# KiCad board Fraiseiver2panel.kicad_pcb
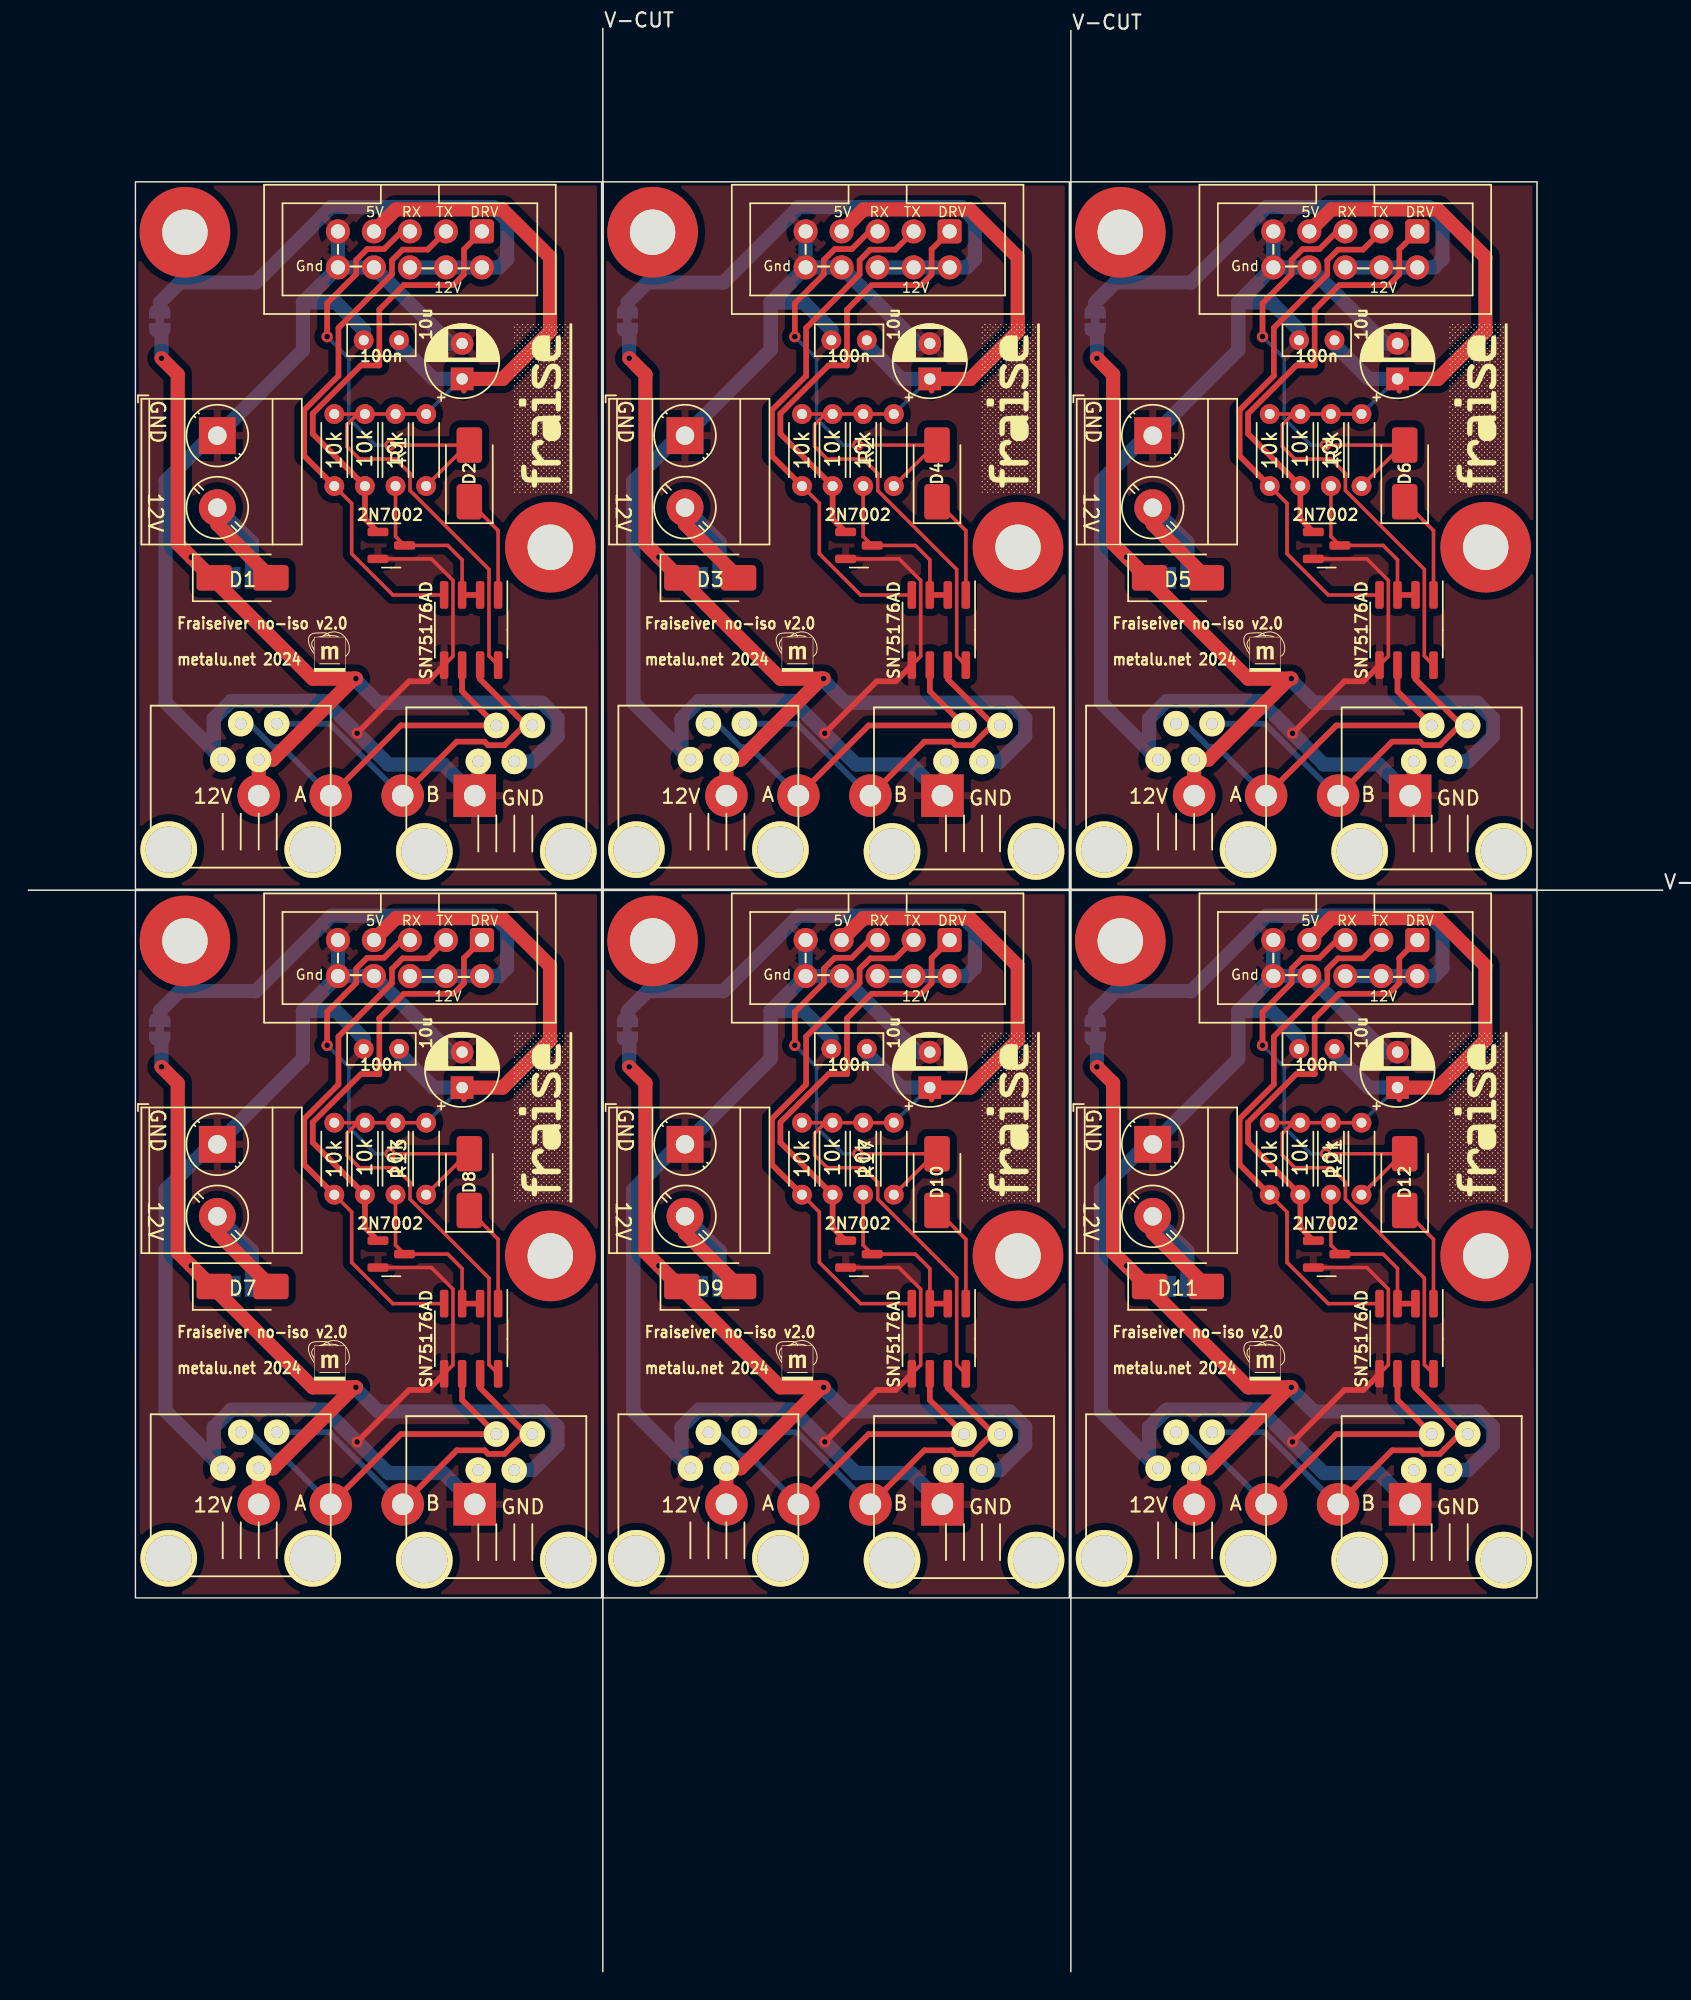
[diagram p0: board, top side]
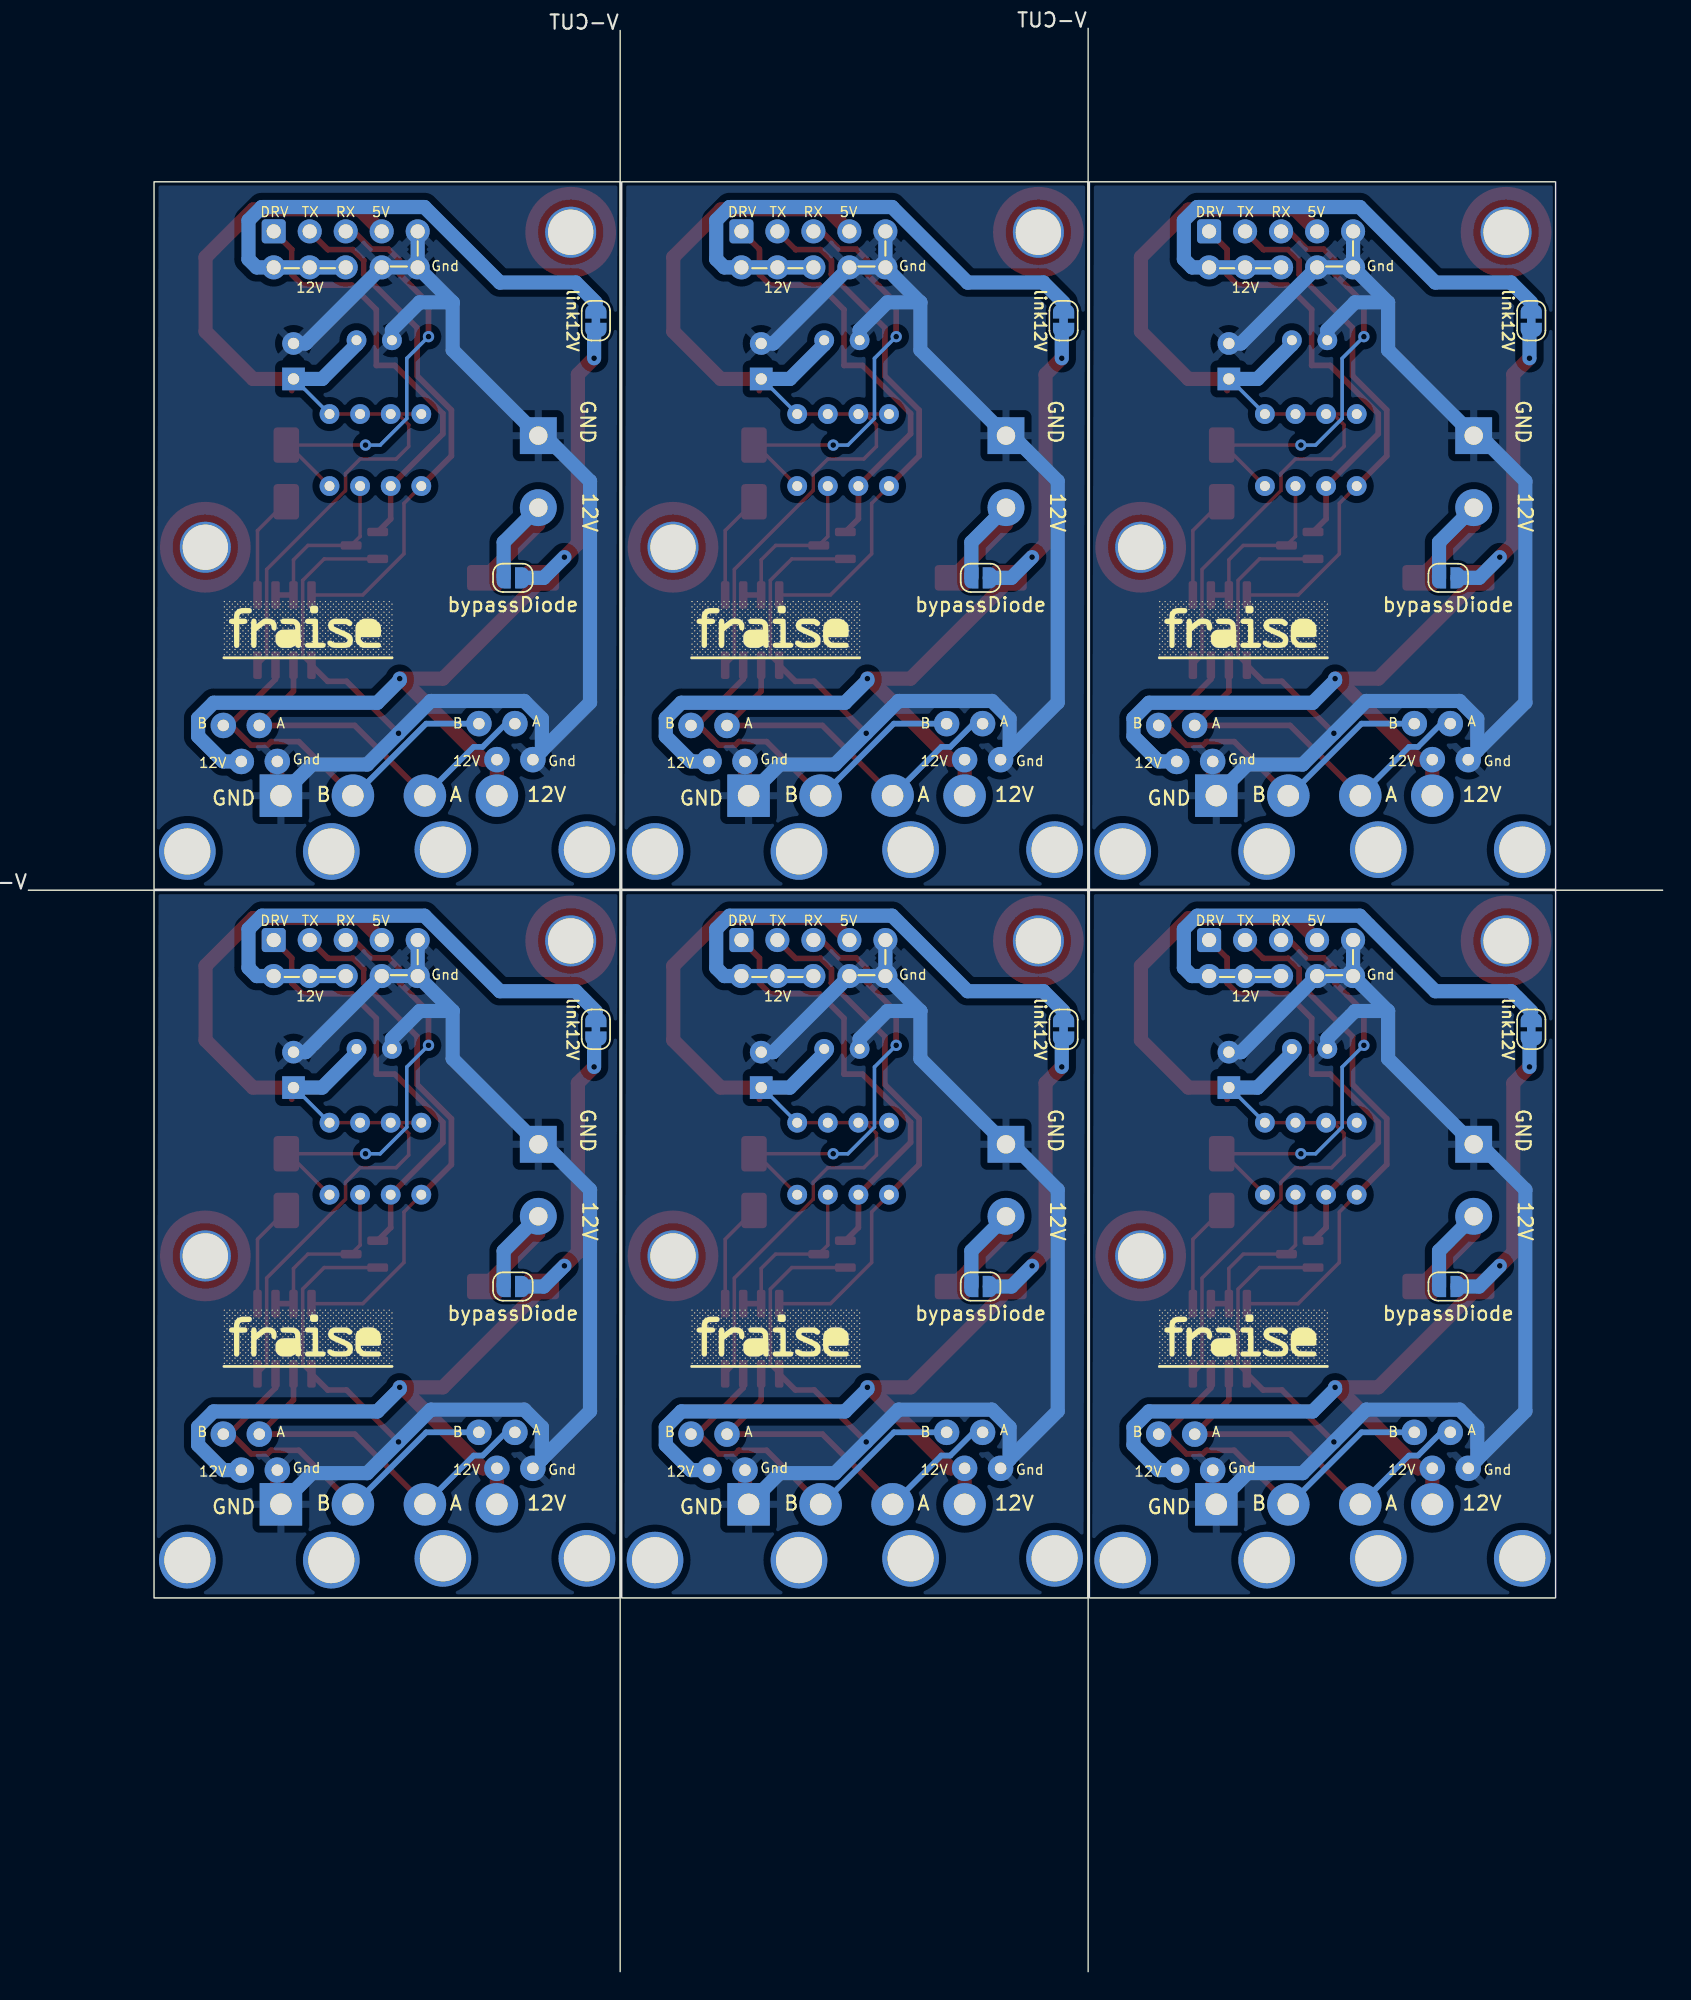
[diagram p1: board, bottom side, seen from below]

Outline 115.32 x 137.11 mm; copper layers: Top, Bottom. Coordinates in mm from the lower left corner of the outline.
Outline path: rectangle 7.56,126.28 40.45,76.37 ; rectangle 7.56,76.28 40.45,26.37 ; rectangle 40.56,126.28 73.45,76.37 ; rectangle 40.56,76.28 73.45,26.37 ; rectangle 73.56,126.28 106.45,76.37 ; rectangle 73.56,76.28 106.45,26.37 ; 0,76.3 115.32,76.3 ; 40.54,137.11 40.54,0 ; 73.56,136.96 73.56,0

## Placement (name value [footprint] x y rotation side)
C2  100n  [C_Rect_L4.6mm_W2.0mm_P2.50mm_MKS02_FKP02]  26.16 115.1 180 top
C3  10u  [CP_Radial_D5.0mm_P2.50mm]  30.61 112.37 90 top
C4  100n  [C_Rect_L4.6mm_W2.0mm_P2.50mm_MKS02_FKP02]  59.16 115.1 180 top
C5  10u  [CP_Radial_D5.0mm_P2.50mm]  63.61 112.37 90 top
C6  100n  [C_Rect_L4.6mm_W2.0mm_P2.50mm_MKS02_FKP02]  92.16 115.1 180 top
C7  10u  [CP_Radial_D5.0mm_P2.50mm]  96.61 112.37 90 top
C8  100n  [C_Rect_L4.6mm_W2.0mm_P2.50mm_MKS02_FKP02]  26.16 65.1 180 top
C9  10u  [CP_Radial_D5.0mm_P2.50mm]  30.61 62.37 90 top
C10  100n  [C_Rect_L4.6mm_W2.0mm_P2.50mm_MKS02_FKP02]  59.16 65.1 180 top
C11  10u  [CP_Radial_D5.0mm_P2.50mm]  63.61 62.37 90 top
C12  100n  [C_Rect_L4.6mm_W2.0mm_P2.50mm_MKS02_FKP02]  92.16 65.1 180 top
C13  10u  [CP_Radial_D5.0mm_P2.50mm]  96.61 62.37 90 top
D1  D_Schottky  [D_SMA]  15.11 98.34 0 top
D2  D_Schottky  [D_SMA]  31.11 105.71 90 top
D3  D_Schottky  [D_SMA]  48.11 98.34 0 top
D4  D_Schottky  [D_SMA]  64.11 105.71 90 top
D5  D_Schottky  [D_SMA]  81.11 98.34 0 top
D6  D_Schottky  [D_SMA]  97.11 105.71 90 top
D7  D_Schottky  [D_SMA]  15.11 48.34 0 top
D8  D_Schottky  [D_SMA]  31.11 55.71 90 top
D9  D_Schottky  [D_SMA]  48.11 48.34 0 top
D10  D_Schottky  [D_SMA]  64.11 55.71 90 top
D11  D_Schottky  [D_SMA]  81.11 48.34 0 top
D12  D_Schottky  [D_SMA]  97.11 55.71 90 top
G***  LOGO  [metalunet-mini]  21.21 93.13 0 top
G***1  LOGO  [metalunet-mini]  54.21 93.13 0 top
G***2  LOGO  [FraiseLogo]  62.59 94.66 180 bottom
G***3  LOGO  [FraiseLogo]  69.32 110.28 90 top
G***4  LOGO  [metalunet-mini]  87.21 93.13 0 top
G***5  LOGO  [FraiseLogo]  95.59 94.66 180 bottom
G***6  LOGO  [FraiseLogo]  102.32 110.28 90 top
G***7  LOGO  [metalunet-mini]  21.21 43.13 0 top
G***8  LOGO  [FraiseLogo]  29.59 44.66 180 bottom
G***9  LOGO  [FraiseLogo]  36.32 60.28 90 top
G***10  LOGO  [metalunet-mini]  54.21 43.13 0 top
G***11  LOGO  [FraiseLogo]  62.59 44.66 180 bottom
G***12  LOGO  [FraiseLogo]  69.32 60.28 90 top
G***13  LOGO  [metalunet-mini]  87.21 43.13 0 top
G***14  LOGO  [FraiseLogo]  95.59 44.66 180 bottom
G***15  LOGO  [FraiseLogo]  102.32 60.28 90 top
G***#2  LOGO  [FraiseLogo]  36.32 110.28 90 top
G***#3  LOGO  [FraiseLogo]  29.59 94.66 180 bottom
H1  MountingHole  [MountingHole_3.2mm_M3_Pad_TopOnly]  11.05 122.72 0 top
H2  MountingHole  [MountingHole_3.2mm_M3_Pad_TopOnly]  36.83 100.5 0 top
H3  MountingHole  [MountingHole_3.2mm_M3_Pad_TopOnly]  44.05 122.72 0 top
H4  MountingHole  [MountingHole_3.2mm_M3_Pad_TopOnly]  69.83 100.5 0 top
H5  MountingHole  [MountingHole_3.2mm_M3_Pad_TopOnly]  77.05 122.72 0 top
H6  MountingHole  [MountingHole_3.2mm_M3_Pad_TopOnly]  102.83 100.5 0 top
H7  MountingHole  [MountingHole_3.2mm_M3_Pad_TopOnly]  11.05 72.72 0 top
H8  MountingHole  [MountingHole_3.2mm_M3_Pad_TopOnly]  36.83 50.5 0 top
H9  MountingHole  [MountingHole_3.2mm_M3_Pad_TopOnly]  44.05 72.72 0 top
H10  MountingHole  [MountingHole_3.2mm_M3_Pad_TopOnly]  69.83 50.5 0 top
H11  MountingHole  [MountingHole_3.2mm_M3_Pad_TopOnly]  77.05 72.72 0 top
H12  MountingHole  [MountingHole_3.2mm_M3_Pad_TopOnly]  102.83 50.5 0 top
J1  RJ14  [RJ11]  14.99 85.51 180 top
J2  Bornier2  [TerminalBlock_Phoenix_MKDS-3-2-5.08_1x02_P5.08mm_Horizontal]  13.33 108.37 270 top
J3  Fraise_5x2  [IDC-Header_2x05_P2.54mm_Vertical]  32 122.78 270 top
J4  RJ14  [RJ11]  33.02 85.39 180 top
J5  Conn_01x04_Socket  [TerminalBlock_bornier-4_P5.08mm]  31.5 82.97 180 top
J6  RJ14  [RJ11]  47.99 85.51 180 top
J7  Bornier2  [TerminalBlock_Phoenix_MKDS-3-2-5.08_1x02_P5.08mm_Horizontal]  46.33 108.37 270 top
J8  Fraise_5x2  [IDC-Header_2x05_P2.54mm_Vertical]  65 122.78 270 top
J9  RJ14  [RJ11]  66.02 85.39 180 top
J10  Conn_01x04_Socket  [TerminalBlock_bornier-4_P5.08mm]  64.5 82.97 180 top
J11  RJ14  [RJ11]  80.99 85.51 180 top
J12  Bornier2  [TerminalBlock_Phoenix_MKDS-3-2-5.08_1x02_P5.08mm_Horizontal]  79.33 108.37 270 top
J13  Fraise_5x2  [IDC-Header_2x05_P2.54mm_Vertical]  98 122.78 270 top
J14  RJ14  [RJ11]  99.02 85.39 180 top
J15  Conn_01x04_Socket  [TerminalBlock_bornier-4_P5.08mm]  97.5 82.97 180 top
J16  RJ14  [RJ11]  14.99 35.51 180 top
J17  Bornier2  [TerminalBlock_Phoenix_MKDS-3-2-5.08_1x02_P5.08mm_Horizontal]  13.33 58.37 270 top
J18  Fraise_5x2  [IDC-Header_2x05_P2.54mm_Vertical]  32 72.78 270 top
J19  RJ14  [RJ11]  33.02 35.39 180 top
J20  Conn_01x04_Socket  [TerminalBlock_bornier-4_P5.08mm]  31.5 32.97 180 top
J21  RJ14  [RJ11]  47.99 35.51 180 top
J22  Bornier2  [TerminalBlock_Phoenix_MKDS-3-2-5.08_1x02_P5.08mm_Horizontal]  46.33 58.37 270 top
J23  Fraise_5x2  [IDC-Header_2x05_P2.54mm_Vertical]  65 72.78 270 top
J24  RJ14  [RJ11]  66.02 35.39 180 top
J25  Conn_01x04_Socket  [TerminalBlock_bornier-4_P5.08mm]  64.5 32.97 180 top
J26  RJ14  [RJ11]  80.99 35.51 180 top
J27  Bornier2  [TerminalBlock_Phoenix_MKDS-3-2-5.08_1x02_P5.08mm_Horizontal]  79.33 58.37 270 top
J28  Fraise_5x2  [IDC-Header_2x05_P2.54mm_Vertical]  98 72.78 270 top
J29  RJ14  [RJ11]  99.02 35.39 180 top
J30  Conn_01x04_Socket  [TerminalBlock_bornier-4_P5.08mm]  97.5 32.97 180 top
JP1  bypassDiode  [SolderJumper-2_P1.3mm_Open_RoundedPad1.0x1.5mm]  15.13 98.34 180 bottom
JP2  link12V  [SolderJumper-2_P1.3mm_Bridged_RoundedPad1.0x1.5mm]  9.27 116.49 90 bottom
JP3  bypassDiode  [SolderJumper-2_P1.3mm_Open_RoundedPad1.0x1.5mm]  48.13 98.34 180 bottom
JP4  link12V  [SolderJumper-2_P1.3mm_Bridged_RoundedPad1.0x1.5mm]  42.27 116.49 90 bottom
JP5  bypassDiode  [SolderJumper-2_P1.3mm_Open_RoundedPad1.0x1.5mm]  81.13 98.34 180 bottom
JP6  link12V  [SolderJumper-2_P1.3mm_Bridged_RoundedPad1.0x1.5mm]  75.27 116.49 90 bottom
JP7  bypassDiode  [SolderJumper-2_P1.3mm_Open_RoundedPad1.0x1.5mm]  15.13 48.34 180 bottom
JP8  link12V  [SolderJumper-2_P1.3mm_Bridged_RoundedPad1.0x1.5mm]  9.27 66.49 90 bottom
JP9  bypassDiode  [SolderJumper-2_P1.3mm_Open_RoundedPad1.0x1.5mm]  48.13 48.34 180 bottom
JP10  link12V  [SolderJumper-2_P1.3mm_Bridged_RoundedPad1.0x1.5mm]  42.27 66.49 90 bottom
JP11  bypassDiode  [SolderJumper-2_P1.3mm_Open_RoundedPad1.0x1.5mm]  81.13 48.34 180 bottom
JP12  link12V  [SolderJumper-2_P1.3mm_Bridged_RoundedPad1.0x1.5mm]  75.27 66.49 90 bottom
Q1  2N7002  [SOT-23]  25.6 100.63 0 top
Q2  2N7002  [SOT-23]  58.6 100.63 0 top
Q3  2N7002  [SOT-23]  91.6 100.63 0 top
Q4  2N7002  [SOT-23]  25.6 50.63 0 top
Q5  2N7002  [SOT-23]  58.6 50.63 0 top
Q6  2N7002  [SOT-23]  91.6 50.63 0 top
R1  10k  [R_Axial_DIN0204_L3.6mm_D1.6mm_P5.08mm_Horizontal]  28.07 104.82 90 top
R2  10k  [R_Axial_DIN0204_L3.6mm_D1.6mm_P5.08mm_Horizontal]  61.07 104.82 90 top
R3  10k  [R_Axial_DIN0204_L3.6mm_D1.6mm_P5.08mm_Horizontal]  94.07 104.82 90 top
R4  10k  [R_Axial_DIN0204_L3.6mm_D1.6mm_P5.08mm_Horizontal]  25.91 104.82 90 top
R5  10k  [R_Axial_DIN0204_L3.6mm_D1.6mm_P5.08mm_Horizontal]  23.75 104.82 90 top
R6  10k  [R_Axial_DIN0204_L3.6mm_D1.6mm_P5.08mm_Horizontal]  21.59 104.82 90 top
R7  10k  [R_Axial_DIN0204_L3.6mm_D1.6mm_P5.08mm_Horizontal]  58.91 104.82 90 top
R8  10k  [R_Axial_DIN0204_L3.6mm_D1.6mm_P5.08mm_Horizontal]  56.75 104.82 90 top
R9  10k  [R_Axial_DIN0204_L3.6mm_D1.6mm_P5.08mm_Horizontal]  54.59 104.82 90 top
R10  10k  [R_Axial_DIN0204_L3.6mm_D1.6mm_P5.08mm_Horizontal]  91.91 104.82 90 top
R11  10k  [R_Axial_DIN0204_L3.6mm_D1.6mm_P5.08mm_Horizontal]  89.75 104.82 90 top
R12  10k  [R_Axial_DIN0204_L3.6mm_D1.6mm_P5.08mm_Horizontal]  87.59 104.82 90 top
R13  10k  [R_Axial_DIN0204_L3.6mm_D1.6mm_P5.08mm_Horizontal]  28.07 54.82 90 top
R14  10k  [R_Axial_DIN0204_L3.6mm_D1.6mm_P5.08mm_Horizontal]  25.91 54.82 90 top
R15  10k  [R_Axial_DIN0204_L3.6mm_D1.6mm_P5.08mm_Horizontal]  23.75 54.82 90 top
R16  10k  [R_Axial_DIN0204_L3.6mm_D1.6mm_P5.08mm_Horizontal]  21.59 54.82 90 top
R17  10k  [R_Axial_DIN0204_L3.6mm_D1.6mm_P5.08mm_Horizontal]  61.07 54.82 90 top
R18  10k  [R_Axial_DIN0204_L3.6mm_D1.6mm_P5.08mm_Horizontal]  58.91 54.82 90 top
R19  10k  [R_Axial_DIN0204_L3.6mm_D1.6mm_P5.08mm_Horizontal]  56.75 54.82 90 top
R20  10k  [R_Axial_DIN0204_L3.6mm_D1.6mm_P5.08mm_Horizontal]  54.59 54.82 90 top
R21  10k  [R_Axial_DIN0204_L3.6mm_D1.6mm_P5.08mm_Horizontal]  94.07 54.82 90 top
R22  10k  [R_Axial_DIN0204_L3.6mm_D1.6mm_P5.08mm_Horizontal]  91.91 54.82 90 top
R23  10k  [R_Axial_DIN0204_L3.6mm_D1.6mm_P5.08mm_Horizontal]  89.75 54.82 90 top
R24  10k  [R_Axial_DIN0204_L3.6mm_D1.6mm_P5.08mm_Horizontal]  87.59 54.82 90 top
U1  SN75176AD  [SOIC-8_3.9x4.9mm_P1.27mm]  31.24 94.66 270 top
U2  SN75176AD  [SOIC-8_3.9x4.9mm_P1.27mm]  64.24 94.66 270 top
U3  SN75176AD  [SOIC-8_3.9x4.9mm_P1.27mm]  97.24 94.66 270 top
U4  SN75176AD  [SOIC-8_3.9x4.9mm_P1.27mm]  31.24 44.66 270 top
U5  SN75176AD  [SOIC-8_3.9x4.9mm_P1.27mm]  64.24 44.66 270 top
U6  SN75176AD  [SOIC-8_3.9x4.9mm_P1.27mm]  97.24 44.66 270 top

## Library data of the parts
C2 C4 C6 C8 C10 C12 = -: Description: Unpolarized capacitor
C3 C5 C7 C9 C11 C13 = -: Description: Polarized capacitor
D1-D12 = -: Description: Schottky diode
H1-H12 = -: Description: Mounting Hole without connection
J1 J4 J6 J9 J11 J14 J16 J19 J21 J24 J26 J29 = -: Description: RJ connector, 6P4C (6 positions 4 connected)
J2 J7 J12 J17 J22 J27 = -: Description: Generic connector, single row, 01x02, script generated
J3 J8 J13 J18 J23 J28 = -: Description: Generic connector, double row, 02x05, odd/even pin numbering scheme (row 1 odd numbers, row 2 even numbers), script generated (kicad-library-utils/schlib/autogen/connector/)
J5 J10 J15 J20 J25 J30 = -: Description: Generic connector, single row, 01x04, script generated
JP1 JP3 JP5 JP7 JP9 JP11 = -: Description: Solder Jumper, 2-pole, open
JP2 JP4 JP6 JP8 JP10 JP12 = -: Description: Solder Jumper, 2-pole, closed/bridged
Q1-Q6 = -: Description: 0.115A Id, 60V Vds, N-Channel MOSFET, SOT-23
R1-R24 = -: Description: Resistor
U1-U6 = -: Description: Differential RS-422/RS-485 bus transceiver, SOIC-8

## Footprints (pads in the part's own frame, mm; a bottom-side part is the same pattern mirrored in y, then rotated)
C_Rect_L4.6mm_W2.0mm_P2.50mm_MKS02_FKP02
  round 1.4 hole 0.7: 1(0,0) 2(2.5,0)
CP_Radial_D5.0mm_P2.50mm
  rect 1.6x1.6 hole 0.8: 1(0,0)
  round 1.6 hole 0.8: 2(2.5,0)
D_SMA
  rrect 2.5x1.8 smd: 1(-2,0) 2(2,0)
IDC-Header_2x05_P2.54mm_Vertical
  rrect 1.7x1.7 hole 1: 1(0,0)
  round 1.7 hole 1: 2(2.54,0) 3(0,-2.54) 4(2.54,-2.54) 5(0,-5.08) 6(2.54,-5.08) 7(0,-7.62) 8(2.54,-7.62) 9(0,-10.16) 10(2.54,-10.16)
MountingHole_3.2mm_M3_Pad_TopOnly
  round 3.6 hole 3.2: 1(0,0)
  round 6.4 smd: 1(0,0)
R_Axial_DIN0204_L3.6mm_D1.6mm_P5.08mm_Horizontal
  round 1.4 hole 0.7: 1(0,0)
  oval 1.4x1.4 hole 0.7: 2(5.08,0)
RJ11
  round 4 hole 3.251: (-5.08,6.35) (5.08,6.35)
  round 1.801 hole 0.813: 1(1.27,0) 2(0,-2.54) 3(-1.27,0) 4(-2.54,-2.54)
SOIC-8_3.9x4.9mm_P1.27mm
  rrect 1.95x0.6 smd: 1(-2.475,1.905) 2(-2.475,0.635) 3(-2.475,-0.635) 4(-2.475,-1.905) 5(2.475,-1.905) 6(2.475,-0.635) 7(2.475,0.635) 8(2.475,1.905)
SolderJumper-2_P1.3mm_Bridged_RoundedPad1.0x1.5mm
  custom 1x1.5 smd: 1(-0.65,0) 2(0.65,0)
SolderJumper-2_P1.3mm_Open_RoundedPad1.0x1.5mm
  custom 1x1.5 smd: 1(-0.65,0) 2(0.65,0)
SOT-23
  rrect 1.475x0.6 smd: 1(-0.938,0.95) 2(-0.938,-0.95) 3(0.938,0)
TerminalBlock_bornier-4_P5.08mm
  rect 3x3 hole 1.52: 1(0,0)
  round 3 hole 1.52: 2(5.08,0) 3(10.16,0) 4(15.24,0)
TerminalBlock_Phoenix_MKDS-3-2-5.08_1x02_P5.08mm_Horizontal
  rect 2.6x2.6 hole 1.3: 1(0,0)
  round 2.6 hole 1.3: 2(5.08,0)

## Nets
+5V: C2.1 C3.1 C4.1 C5.1 C6.1 C7.1 C8.1 C9.1 C10.1 C11.1 C12.1 C13.1 J3.7 J8.7 J13.7 J18.7 J23.7 J28.7 R1.2 R2.2 R3.2 R4.2 R5.2 R6.2 R7.2 R8.2 R9.2 R10.2 R11.2 R12.2 R13.2 R14.2 R15.2 R16.2 R17.2 R18.2 R19.2 R20.2 R21.2 R22.2 R23.2 R24.2 U1.8 U2.8 U3.8 U4.8 U5.8 U6.8
+12V: J3.2 J3.4 J3.6 J8.2 J8.4 J8.6 J13.2 J13.4 J13.6 J18.2 J18.4 J18.6 J23.2 J23.4 J23.6 J28.2 J28.4 J28.6 JP2.2 JP4.2 JP6.2 JP8.2 JP10.2 JP12.2
GND: C2.2 C3.2 C4.2 C5.2 C6.2 C7.2 C8.2 C9.2 C10.2 C11.2 C12.2 C13.2 J1.1 J2.1 J3.8 J3.9 J3.10 J4.1 J5.1 J6.1 J7.1 J8.8 J8.9 J8.10 J9.1 J10.1 J11.1 J12.1 J13.8 J13.9 J13.10 J14.1 J15.1 J16.1 J17.1 J18.8 J18.9 J18.10 J19.1 J20.1 J21.1 J22.1 J23.8 J23.9 J23.10 J24.1 J25.1 J26.1 J27.1 J28.8 J28.9 J28.10 J29.1 J30.1 Q1.2 Q2.2 Q3.2 Q4.2 Q5.2 Q6.2 U1.5 U2.5 U3.5 U4.5 U5.5 U6.5
+12P: D1.1 D3.1 D5.1 D7.1 D9.1 D11.1 J1.3 J4.3 J5.4 J6.3 J9.3 J10.4 J11.3 J14.3 J15.4 J16.3 J19.3 J20.4 J21.3 J24.3 J25.4 J26.3 J29.3 J30.4 JP1.2 JP2.1 JP3.2 JP4.1 JP5.2 JP6.1 JP7.2 JP8.1 JP9.2 JP10.1 JP11.2 JP12.1
/A: J1.2 J4.2 J5.3 J6.2 J9.2 J10.3 J11.2 J14.2 J15.3 J16.2 J19.2 J20.3 J21.2 J24.2 J25.3 J26.2 J29.2 J30.3 U1.6 U2.6 U3.6 U4.6 U5.6 U6.6
/B: J1.4 J4.4 J5.2 J6.4 J9.4 J10.2 J11.4 J14.4 J15.2 J16.4 J19.4 J20.2 J21.4 J24.4 J25.2 J26.4 J29.4 J30.2 U1.7 U2.7 U3.7 U4.7 U5.7 U6.7
/DRV: J3.1 J8.1 J13.1 J18.1 J23.1 J28.1 Q1.1 Q2.1 Q3.1 Q4.1 Q5.1 Q6.1 R5.1 R8.1 R11.1 R15.1 R19.1 R23.1
/RX: D2.2 D4.2 D6.2 D8.2 D10.2 D12.2 J3.5 J8.5 J13.5 J18.5 J23.5 J28.5 R1.1 R2.1 R3.1 R13.1 R17.1 R21.1
/TX: J3.3 J8.3 J13.3 J18.3 J23.3 J28.3 R6.1 R9.1 R12.1 R16.1 R20.1 R24.1 U1.4 U2.4 U3.4 U4.4 U5.4 U6.4
Net-(D1-A): D1.2 D3.2 D5.2 D7.2 D9.2 D11.2 J2.2 J7.2 J12.2 J17.2 J22.2 J27.2 JP1.1 JP3.1 JP5.1 JP7.1 JP9.1 JP11.1
Net-(Q1-D): Q1.3 Q2.3 Q3.3 Q4.3 Q5.3 Q6.3 R4.1 R7.1 R10.1 R14.1 R18.1 R22.1 U1.2 U1.3 U2.2 U2.3 U3.2 U3.3 U4.2 U4.3 U5.2 U5.3 U6.2 U6.3

Pads without a net: D2 1; D4 1; D6 1; D8 1; D10 1; D12 1; H1 1; H2 1; H3 1; H4 1; H5 1; H6 1; H7 1; H8 1; H9 1; H10 1; H11 1; H12 1; U1 1; U2 1; U3 1; U4 1; U5 1; U6 1

## Via types
v1: diameter 0.8, hole 0.4, Top to Bottom, 36 vias

## Routing (per net, layer and track width the routed paths; a pad name or vN(x,y) marks a point on that pad's centre or on a via; arc(x,y) is an arc through that point)
+5V: length 411
  Top w0.25: R16.2 R14.2 R13.2 ; R2.2 R7.2 R9.2 ; R6.2 R4.2 R1.2 ; R8.2 56.23,109.9 55.48,109.14 55.48,107.61 56.37,106.72 58.91,106.72 59.93,105.7 59.93,104.5 65.5,98.93 65.5,92.83 66.15,92.18 ; R15.2 23.23,59.9 22.48,59.14 22.48,57.61 23.37,56.72 25.91,56.72 26.93,55.7 26.93,54.5 32.5,48.93 32.5,42.83 U4.8 ; R5.2 23.23,109.9 22.48,109.14 22.48,107.61 23.37,106.72 25.91,106.72 26.93,105.7 26.93,104.5 32.5,98.93 32.5,92.83 33.15,92.18 ; R24.2 R22.2 R21.2 ; R20.2 R18.2 R17.2 ; U6.8 98.5,42.83 98.5,48.93 92.93,54.5 92.93,55.7 91.91,56.72 89.37,56.72 88.48,57.61 88.48,59.14 89.23,59.9 R23.2 ; R11.2 89.23,109.9 88.48,109.14 88.48,107.61 89.37,106.72 91.91,106.72 92.93,105.7 92.93,104.5 98.5,98.93 98.5,92.83 99.15,92.18 ; R3.2 R10.2 R12.2 ; R19.2 56.23,59.9 55.48,59.14 55.48,57.61 56.37,56.72 58.91,56.72 59.93,55.7 59.93,54.5 65.5,48.93 65.5,42.83 U5.8
  Top w0.4: 30.73,61.55 30.73,62.37 ; 63.73,61.55 63.73,62.37 ; 96.73,111.55 96.73,112.37 ; 96.73,61.55 96.73,62.37 ; 30.73,111.55 30.73,112.37 ; 63.73,111.55 63.73,112.37
  Top w1: J8.7 58.93,124.33 66.44,124.33 69.81,120.96 69.81,115.72 66.47,112.37 C5.1 ; J3.7 25.93,124.33 33.44,124.33 36.81,120.96 36.81,115.72 33.47,112.37 C3.1 ; C13.1 99.47,62.37 102.81,65.72 102.81,70.96 99.44,74.33 91.93,74.33 J28.7 ; J18.7 25.93,74.33 33.44,74.33 36.81,70.96 36.81,65.72 33.47,62.37 C9.1 ; J23.7 58.93,74.33 66.44,74.33 69.81,70.96 69.81,65.72 66.47,62.37 C11.1 ; C7.1 99.47,112.37 102.81,115.72 102.81,120.96 99.44,124.33 91.93,124.33 J13.7
  Bottom w0.25: C3.1 30.54,112.37 R1.2 ; C9.1 30.54,62.37 R13.2 ; R21.2 96.54,62.37 C13.1 ; R2.2 63.54,112.37 C5.1 ; C7.1 96.54,112.37 R3.2 ; C11.1 63.54,62.37 R17.2
  Bottom w1: C6.1 92.16,114.8 94.58,112.37 96.73,112.37 ; C4.1 59.16,114.8 61.58,112.37 63.73,112.37 ; 63.73,62.37 61.58,62.37 59.16,64.8 C10.1 ; C8.1 26.16,64.8 28.58,62.37 30.73,62.37 ; C12.1 92.16,64.8 94.58,62.37 96.73,62.37 ; 30.73,112.37 28.58,112.37 26.16,114.8 C2.1
+12V: length 225.2
  Bottom w1: J28.6 J28.4 J28.2 99.21,70.24 99.78,70.82 99.78,73.56 98.84,74.5 87.37,74.5 82.04,69.18 76.69,69.18 75.27,67.76 ; 42.27,117.76 43.69,119.18 49.04,119.18 54.37,124.5 65.84,124.5 66.78,123.56 66.78,120.82 66.21,120.24 J8.2 J8.6 ; 75.27,117.76 76.69,119.18 82.04,119.18 87.37,124.5 98.84,124.5 99.78,123.56 99.78,120.82 99.21,120.24 J13.2 J13.4 J13.6 ; J23.6 J23.2 66.21,70.24 66.78,70.82 66.78,73.56 65.84,74.5 54.37,74.5 49.04,69.18 43.69,69.18 42.27,67.76 ; 9.27,117.76 10.69,119.18 16.04,119.18 21.37,124.5 32.84,124.5 33.78,123.56 33.78,120.82 33.21,120.24 J3.2 J3.6 ; 9.27,67.76 10.69,69.18 16.04,69.18 21.37,74.5 32.84,74.5 33.78,73.56 33.78,70.82 33.21,70.24 J18.2 J18.6
GND: length 653
  Top w0.25: 95.34,92.18 95.96,92.81 95.96,98.16 94.44,99.68 Q3.2 ; 29.34,92.18 29.96,92.81 29.96,98.16 28.44,99.68 Q1.2 ; U5.5 62.96,42.81 62.96,48.16 61.44,49.68 Q5.2 ; U4.5 29.96,42.81 29.96,48.16 28.44,49.68 Q4.2 ; Q6.2 94.44,49.68 95.96,48.16 95.96,42.81 U6.5 ; 62.34,92.18 62.96,92.81 62.96,98.16 61.44,99.68 Q2.2
  Top w0.4: v1(23.2,87.37) 26.86,91.04 28.19,91.04 29.34,92.18 ; v1(56.2,37.37) 59.86,41.04 61.19,41.04 U5.5 ; U4.5 28.19,41.04 26.86,41.04 v1(23.2,37.37) ; v1(89.2,37.37) 92.86,41.04 94.19,41.04 U6.5 ; 95.34,92.18 94.19,91.04 92.86,91.04 v1(89.2,87.37) ; 62.34,92.18 61.19,91.04 59.86,91.04 v1(56.2,87.37)
  Top w1: J5.1 31.75,83.23 31.75,85.39 ; J14.1 97.75,83.23 J15.1 ; 31.75,35.39 31.75,33.23 J20.1 ; J30.1 97.75,33.23 J29.1 ; 64.75,35.39 64.75,33.23 J25.1 ; J10.1 64.75,83.23 64.75,85.39
  Bottom w1: J5.1 29.3,85.17 25.4,85.17 v1(23.2,87.37) 20.92,89.65 14.32,89.65 13.08,88.41 13.08,86.15 J1.1 9.68,89.54 9.68,105.17 12.89,108.37 J2.1 19.37,114.41 19.37,117.78 ; J8.10 J8.8 62.75,114.87 63.73,114.87 ; J8.10 J8.9 ; J8.10 52.37,117.78 ; 52.37,67.78 54.71,67.78 56.66,65.83 C10.2 ; 52.37,67.78 J23.10 ; 52.37,67.78 52.37,64.41 J22.1 45.89,58.37 42.68,55.17 42.68,39.54 J21.1 46.08,36.15 46.08,38.41 47.32,39.65 53.92,39.65 v1(56.2,37.37) 58.4,35.17 62.3,35.17 J25.1 ; J30.1 95.3,35.17 91.4,35.17 v1(89.2,37.37) 86.92,39.65 80.32,39.65 79.08,38.41 79.08,36.15 J26.1 75.68,39.54 75.68,55.17 78.89,58.37 J27.1 85.37,64.41 85.37,67.78 ; J13.10 85.37,117.78 ; J13.10 J13.9 ; J13.10 J13.8 95.75,114.87 96.73,114.87 ; 85.37,117.78 85.37,114.41 J12.1 78.89,108.37 75.68,105.17 75.68,89.54 J11.1 79.08,86.15 79.08,88.41 80.32,89.65 86.92,89.65 v1(89.2,87.37) 91.4,85.17 95.3,85.17 J15.1 ; 85.37,117.78 87.71,117.78 89.66,115.83 C6.2 ; 19.37,117.78 J3.10 ; 19.37,117.78 21.71,117.78 23.66,115.83 C2.2 ; J20.1 29.3,35.17 25.4,35.17 v1(23.2,37.37) 20.92,39.65 14.32,39.65 13.08,38.41 13.08,36.15 J16.1 9.68,39.54 9.68,55.17 12.89,58.37 J17.1 19.37,64.41 19.37,67.78 ; J23.10 J23.9 ; J23.10 J23.8 62.75,64.87 63.73,64.87 ; J28.9 J28.10 ; J28.10 85.37,67.78 ; J28.10 J28.8 95.75,64.87 96.73,64.87 ; J3.10 J3.8 29.75,114.87 30.73,114.87 ; J3.10 J3.9 ; 19.37,67.78 21.71,67.78 23.66,65.83 C8.2 ; 19.37,67.78 J18.10 ; 85.37,67.78 87.71,67.78 89.66,65.83 C12.2 ; J18.10 J18.8 29.75,64.87 30.73,64.87 ; J18.10 J18.9 ; 52.37,117.78 54.71,117.78 56.66,115.83 C4.2 ; 52.37,117.78 52.37,114.41 J7.1 45.89,108.37 42.68,105.17 42.68,89.54 J6.1 46.08,86.15 46.08,88.41 47.32,89.65 53.92,89.65 v1(56.2,87.37) 58.4,85.17 62.3,85.17 J10.1
(no net): length 44.5
  Top w0.25: U5.1 66.15,51.67 D10.1 ; D2.1 33.15,101.67 U1.1 ; D4.1 66.15,101.67 U2.1 ; D12.1 99.15,51.67 U6.1 ; U3.1 99.15,101.67 D6.1 ; U4.1 33.15,51.67 D8.1
+12P: length 408
  Top w1: v1(75.4,113.83) 76.54,112.69 76.54,100.75 v1(77.49,99.8) 86.07,91.23 v1(89.11,91.23) 88.96,91.23 83.25,85.51 J11.3 82.26,82.97 ; J20.4 J16.3 17.25,35.51 22.96,41.23 v1(23.11,41.23) 20.07,41.23 v1(11.49,49.8) 10.54,50.75 10.54,62.69 v1(9.4,63.83) ; J10.4 J6.3 50.25,85.51 55.96,91.23 v1(56.11,91.23) 53.07,91.23 v1(44.49,99.8) 43.54,100.75 43.54,112.69 v1(42.4,113.83) ; J25.4 J21.3 50.25,35.51 55.96,41.23 v1(56.11,41.23) 53.07,41.23 v1(44.49,49.8) 43.54,50.75 43.54,62.69 v1(42.4,63.83) ; v1(9.4,113.83) 10.54,112.69 10.54,100.75 v1(11.49,99.8) 20.07,91.23 v1(23.11,91.23) 22.96,91.23 17.25,85.51 J1.3 J5.4 ; 82.26,32.97 J26.3 83.25,35.51 88.96,41.23 v1(89.11,41.23) 86.07,41.23 v1(77.49,49.8) 76.54,50.75 76.54,62.69 v1(75.4,63.83)
  Bottom w1: v1(11.49,49.8) 12.95,48.34 JP7.2 ; J14.3 101.56,85.39 103.34,87.16 103.34,88.43 102.24,89.53 90.69,89.53 89.11,91.1 v1(89.11,91.23) ; JP10.1 42.4,65.71 v1(42.4,63.83) ; JP11.2 78.95,48.34 v1(77.49,49.8) ; J9.3 68.56,85.39 70.34,87.16 70.34,88.43 69.24,89.53 57.69,89.53 56.11,91.1 v1(56.11,91.23) ; J29.3 101.56,35.39 103.34,37.16 103.34,38.43 102.24,39.53 90.69,39.53 89.11,41.1 v1(89.11,41.23) ; v1(75.4,113.83) 75.4,115.71 JP6.1 ; JP2.1 9.4,115.71 v1(9.4,113.83) ; J24.3 68.56,35.39 70.34,37.16 70.34,38.43 69.24,39.53 57.69,39.53 56.11,41.1 v1(56.11,41.23) ; JP1.2 12.95,98.34 v1(11.49,99.8) ; J19.3 35.56,35.39 37.34,37.16 37.34,38.43 36.24,39.53 24.69,39.53 23.11,41.1 v1(23.11,41.23) ; v1(77.49,99.8) 78.95,98.34 JP5.2 ; v1(44.49,99.8) 45.95,98.34 JP3.2 ; v1(9.4,63.83) 9.4,65.71 JP8.1 ; JP4.1 42.4,115.71 v1(42.4,113.83) ; JP9.2 45.95,48.34 v1(44.49,49.8) ; v1(75.4,63.83) 75.4,65.71 JP12.1 ; v1(23.11,91.23) 23.11,91.1 24.69,89.53 36.24,89.53 37.34,88.43 37.34,87.16 35.56,85.39 J4.3
/A: length 164.7
  Top w0.4: 96.61,92.18 96.61,90.34 99.02,87.93 92.29,87.93 J15.3 ; 63.61,92.18 63.61,90.34 66.02,87.93 59.29,87.93 J10.3 ; J30.3 92.29,37.93 J29.2 96.61,40.34 U6.6 ; 30.61,92.18 30.61,90.34 33.02,87.93 26.29,87.93 J5.3 ; J25.3 59.29,37.93 J24.2 63.61,40.34 U5.6 ; U4.6 30.61,40.34 J19.2 26.29,37.93 J20.3
  Bottom w0.4: J30.3 83.9,36.41 83.26,36.41 81.62,38.05 J26.2 ; J15.3 83.9,86.41 83.26,86.41 81.62,88.05 J11.2 ; J16.2 15.62,38.05 17.26,36.41 17.9,36.41 J20.3 ; J1.2 15.62,88.05 17.26,86.41 17.9,86.41 J5.3 ; J21.2 48.62,38.05 50.26,36.41 50.9,36.41 J25.3 ; J6.2 48.62,88.05 50.26,86.41 50.9,86.41 J10.3
/B: length 170.6
  Top w0.4: 92.42,32.97 96.23,36.78 98.19,36.78 98.45,36.53 99.59,36.53 100.99,37.93 101.56,37.93 101.14,37.93 97.88,41.19 U6.7 ; 97.88,92.18 97.88,91.19 101.14,87.93 101.56,87.93 100.99,87.93 99.59,86.53 98.45,86.53 98.19,86.78 96.23,86.78 92.42,82.97 ; U4.7 31.88,41.19 35.14,37.93 J19.4 34.99,37.93 33.59,36.53 32.45,36.53 32.19,36.78 30.23,36.78 J20.2 ; U5.7 64.88,41.19 68.14,37.93 J24.4 67.99,37.93 66.59,36.53 65.45,36.53 65.19,36.78 63.23,36.78 J25.2 ; 31.88,92.18 31.88,91.19 35.14,87.93 35.56,87.93 34.99,87.93 33.59,86.53 32.45,86.53 32.19,86.78 30.23,86.78 J5.2 ; J10.2 63.23,86.78 65.19,86.78 65.45,86.53 66.59,86.53 67.99,87.93 68.56,87.93 68.14,87.93 64.88,91.19 64.88,92.18
  Bottom w0.4: J21.4 54.25,38.05 59.33,32.97 J25.2 ; J1.4 21.25,88.05 26.33,82.97 J5.2 ; J16.4 21.25,38.05 26.33,32.97 J20.2 ; J6.4 54.25,88.05 59.33,82.97 J10.2 ; 92.42,82.97 92.33,82.97 87.25,88.05 J11.4 ; 92.42,32.97 92.33,32.97 87.25,38.05 J26.4
/DRV: length 185.2
  Top w0.4: J8.1 63.73,121.51 63.73,119.75 62.98,118.99 59.5,118.99 57.76,117.26 57.76,113.33 56.46,113.33 53.07,109.93 53.07,108.5 R8.1 56.75,102.49 Q2.1 ; Q5.1 56.75,52.49 R19.1 53.07,58.5 53.07,59.93 56.46,63.33 57.76,63.33 57.76,67.26 59.5,68.99 62.98,68.99 63.73,69.75 63.73,71.51 J23.1 ; J18.1 30.73,71.51 30.73,69.75 29.98,68.99 26.5,68.99 24.76,67.26 24.76,63.33 23.46,63.33 20.07,59.93 20.07,58.5 R15.1 23.75,52.49 Q4.1 ; Q1.1 23.75,102.49 R5.1 20.07,108.5 20.07,109.93 23.46,113.33 24.76,113.33 24.76,117.26 26.5,118.99 29.98,118.99 30.73,119.75 30.73,121.51 J3.1 ; J28.1 96.73,71.51 96.73,69.75 95.98,68.99 92.5,68.99 90.76,67.26 90.76,63.33 89.46,63.33 86.07,59.93 86.07,58.5 R23.1 89.75,52.49 Q6.1 ; Q3.1 89.75,102.49 R11.1 86.07,108.5 86.07,109.93 89.46,113.33 90.76,113.33 90.76,117.26 92.5,118.99 95.98,118.99 96.73,119.75 96.73,121.51 J13.1
/RX: length 184.9
  Top w0.25: v1(91.53,107.71) D6.2 96.96,107.71 R3.1 ; R13.1 30.96,57.71 D8.2 v1(25.53,57.71) ; R21.1 96.96,57.71 D12.2 v1(91.53,57.71) ; R1.1 30.96,107.71 D2.2 v1(25.53,107.71) ; R17.1 63.96,57.71 D10.2 v1(58.53,57.71) ; R2.1 63.96,107.71 D4.2 v1(58.53,107.71)
  Top w0.4: v1(21.08,115.36) 21.08,117.71 23.13,119.77 23.13,120.76 23.91,121.53 25.1,121.53 26.35,122.78 J3.5 ; J8.5 59.35,122.78 58.1,121.53 56.91,121.53 56.13,120.76 56.13,119.77 54.08,117.71 v1(54.08,115.36) ; J18.5 26.35,72.78 25.1,71.53 23.91,71.53 23.13,70.76 23.13,69.77 21.08,67.71 v1(21.08,65.36) ; v1(87.08,115.36) 87.08,117.71 89.13,119.77 89.13,120.76 89.91,121.53 91.1,121.53 92.35,122.78 J13.5 ; J23.5 59.35,72.78 58.1,71.53 56.91,71.53 56.13,70.76 56.13,69.77 54.08,67.71 v1(54.08,65.36) ; J28.5 92.35,72.78 91.1,71.53 89.91,71.53 89.13,70.76 89.13,69.77 87.08,67.71 v1(87.08,65.36)
  Bottom w0.25: v1(58.53,57.71) 57.49,57.71 55.61,59.58 55.61,63.82 v1(54.08,65.36) ; v1(58.53,107.71) 57.49,107.71 55.61,109.58 55.61,113.82 v1(54.08,115.36) ; v1(21.08,65.36) 22.61,63.82 22.61,59.58 24.49,57.71 v1(25.53,57.71) ; v1(91.53,57.71) 90.49,57.71 88.61,59.58 88.61,63.82 v1(87.08,65.36) ; v1(87.08,115.36) 88.61,113.82 88.61,109.58 90.49,107.71 v1(91.53,107.71) ; v1(25.53,107.71) 24.49,107.71 22.61,109.58 22.61,113.82 v1(21.08,115.36)
/TX: length 222.2
  Top w0.25: R24.1 88.81,53.59 88.81,50.04 91.72,47.13 U6.4 ; U4.4 25.72,47.13 22.81,50.04 22.81,53.59 R16.1 ; R6.1 22.81,103.59 22.81,100.04 25.72,97.13 U1.4 ; U5.4 58.72,47.13 55.81,50.04 55.81,53.59 R20.1 ; U3.4 91.72,97.13 88.81,100.04 88.81,103.59 R12.1 ; R9.1 55.81,103.59 55.81,100.04 58.72,97.13 U2.4
  Top w0.4: J28.3 94.17,71.49 92.41,71.49 91.65,70.74 91.65,69.75 87.88,65.97 87.88,62.59 85.47,60.18 85.47,56.94 R24.1 ; 62.46,72.78 61.17,71.49 59.41,71.49 58.65,70.74 58.65,69.75 54.88,65.97 54.88,62.59 52.47,60.18 52.47,56.94 R20.1 ; R12.1 85.47,106.94 85.47,110.18 87.88,112.59 87.88,115.97 91.65,119.75 91.65,120.74 92.41,121.49 94.17,121.49 J13.3 ; R6.1 19.47,106.94 19.47,110.18 21.88,112.59 21.88,115.97 25.65,119.75 25.65,120.74 26.41,121.49 28.17,121.49 29.46,122.78 ; 29.46,72.78 28.17,71.49 26.41,71.49 25.65,70.74 25.65,69.75 21.88,65.97 21.88,62.59 19.47,60.18 19.47,56.94 R16.1 ; 62.46,122.78 61.17,121.49 59.41,121.49 58.65,120.74 58.65,119.75 54.88,115.97 54.88,112.59 52.47,110.18 52.47,106.94 R9.1
Net-(D1-A): length 74.9
  Top w1: D9.2 46.33,52.12 J22.2 ; J2.2 13.33,102.12 D1.2 ; J7.2 46.33,102.12 D3.2 ; D7.2 13.33,52.12 J17.2 ; D5.2 79.33,102.12 J12.2 ; J27.2 79.33,52.12 D11.2
  Bottom w1: J2.2 15.78,100.85 JP1.1 ; JP7.1 15.78,50.85 J17.2 ; JP5.1 81.78,100.85 J12.2 ; JP3.1 48.78,100.85 J7.2 ; J27.2 81.78,50.85 JP11.1 ; J22.2 48.78,50.85 JP9.1
Net-(Q1-D): length 76.1
  Top w0.25: R7.1 58.91,101.26 Q2.3 62.59,100.63 63.61,99.61 U2.3 ; U4.3 30.61,49.61 29.59,50.63 Q4.3 25.91,51.26 R14.1 ; U5.3 63.61,49.61 62.59,50.63 Q5.3 58.91,51.26 R18.1 ; U6.3 96.61,49.61 95.59,50.63 Q6.3 91.91,51.26 R22.1 ; R10.1 91.91,101.26 Q3.3 95.59,100.63 96.61,99.61 U3.3 ; U1.3 30.61,99.61 29.59,100.63 Q1.3 25.91,101.26 R4.1
  Top w0.4: U3.2 U3.3 ; U6.2 U6.3 ; U4.2 U4.3 ; U2.2 U2.3 ; U1.2 U1.3 ; U5.2 U5.3

## Copper pours and planes (outline as drawn; the poured copper is in the pictures)
GND on Top, Bottom: 73.75,126.03 106.13,126.03 106.26,76.62 73.87,76.62
GND on Top, Bottom: 40.75,76.03 73.13,76.03 73.26,26.62 40.87,26.62
GND on Top, Bottom: 7.75,126.03 40.13,126.03 40.26,76.62 7.87,76.62
GND on Top, Bottom: 40.75,126.03 73.13,126.03 73.26,76.62 40.87,76.62
GND on Top, Bottom: 7.75,76.03 40.13,76.03 40.26,26.62 7.87,26.62
GND on Top, Bottom: 73.75,76.03 106.13,76.03 106.26,26.62 73.87,26.62

## Text on the board
B.Silkscreen: Gnd | A | B | 12V | 5V | RX | TX | DRV | link12V | GND
Edge.Cuts: V-CUT
F.Silkscreen: Gnd | 5V | RX | 12V | TX | DRV | Fraiseiver no-iso v2.0 | metalu.net 2024 | GND | A | B
